# KiCad board FlightComputer.kicad_pcb (continued)
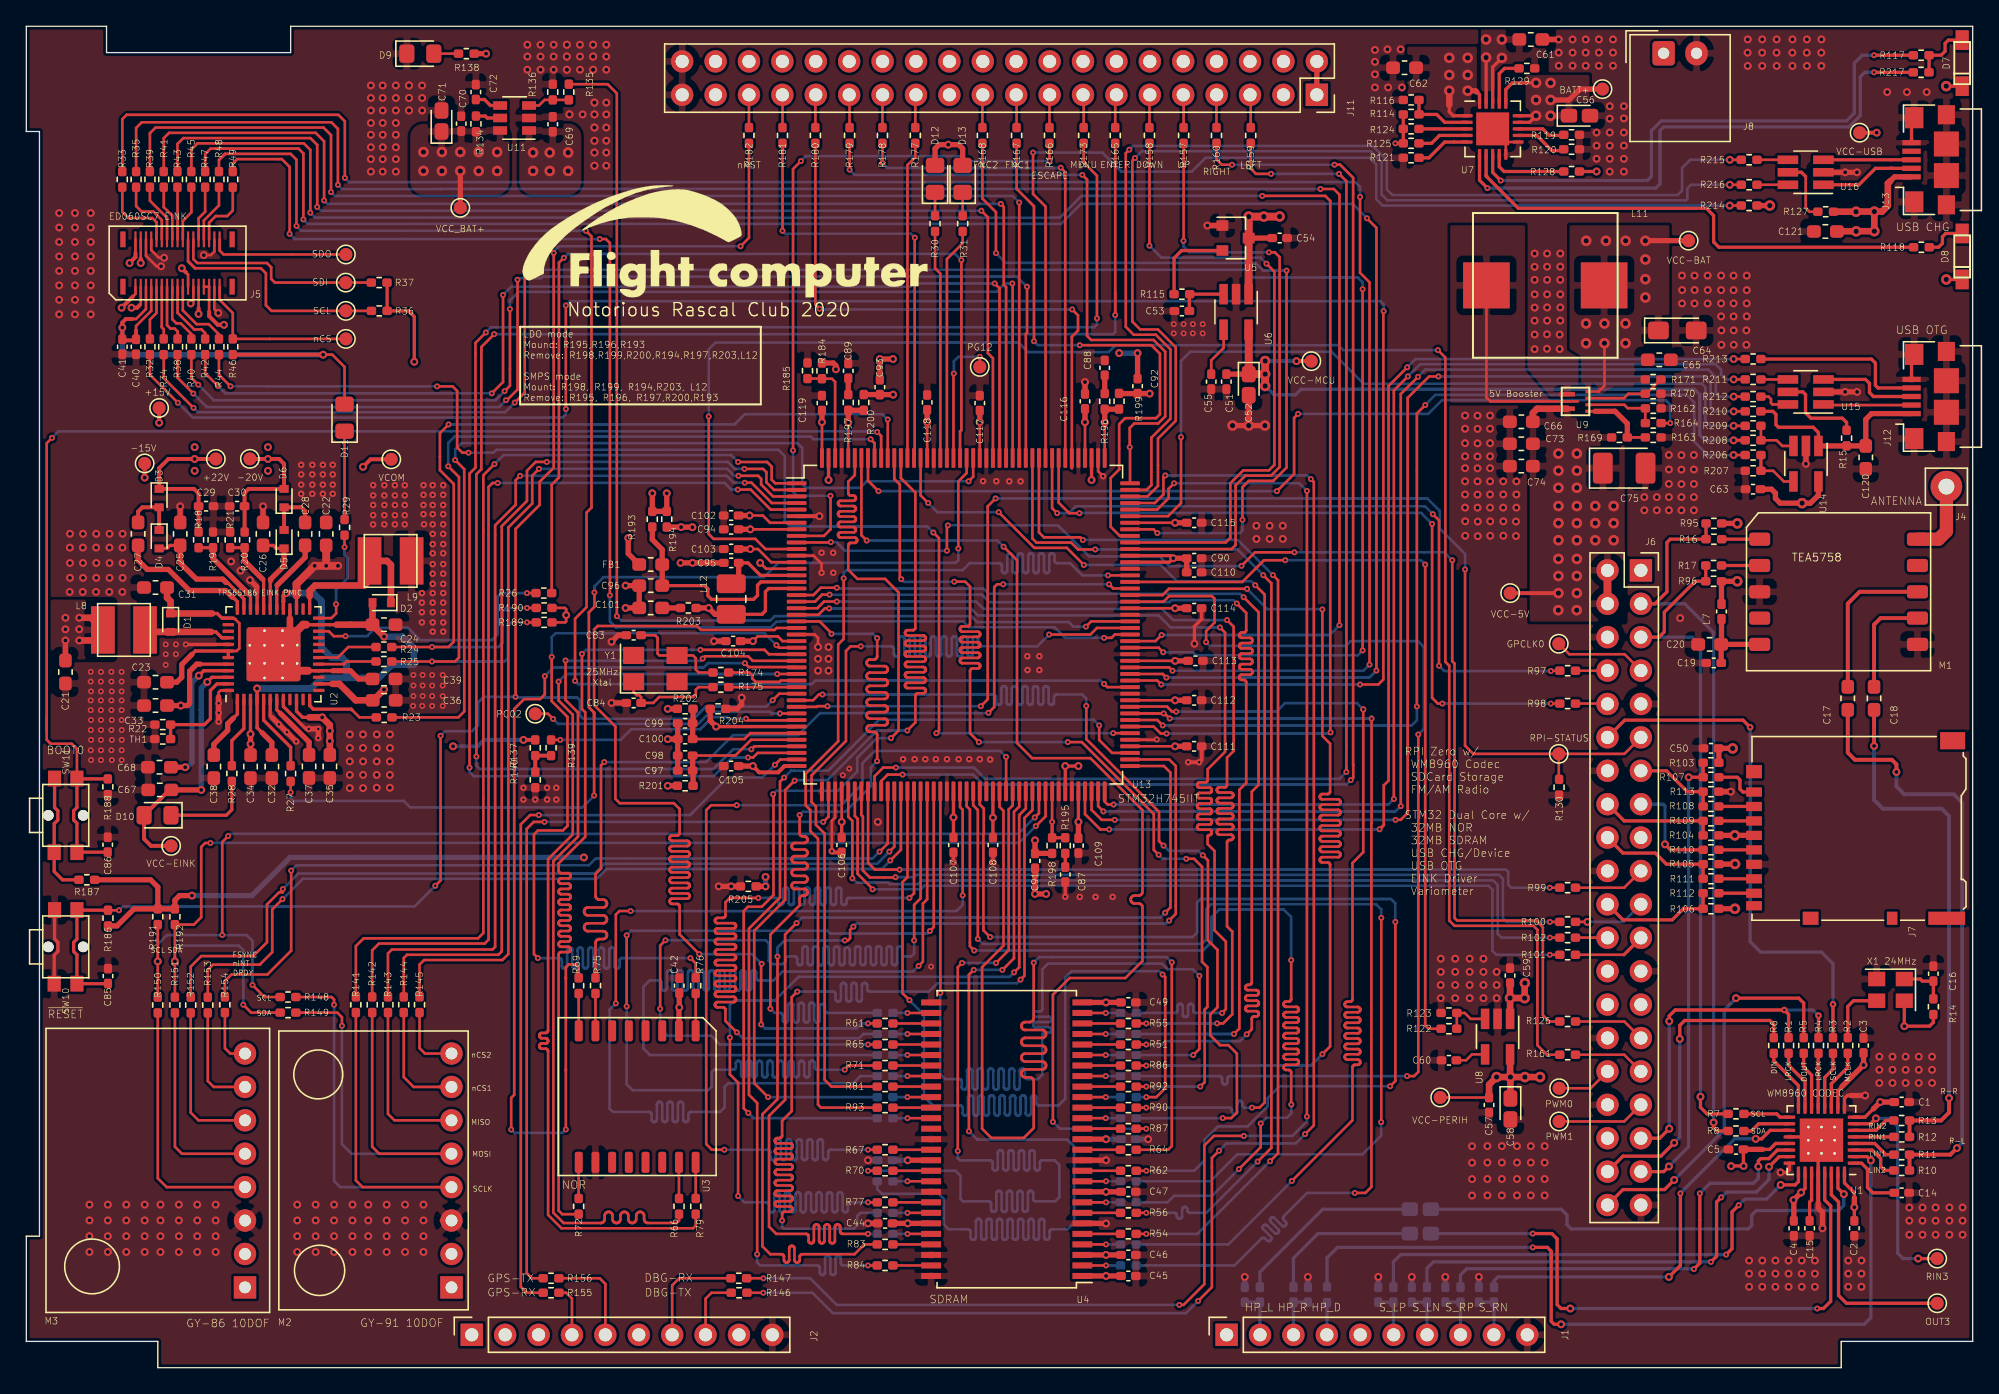
[diagram p0: board, top side]
## Nets (continued)
Net-(C8-Pad2): C8.2 L1.1
Net-(C9-Pad1): C9.1 U1.29
Net-(C9-Pad2): C9.2 L2.1
Net-(C10-Pad1): C10.1 J1.6 L3.2
Net-(C11-Pad1): C11.1 J1.7 L4.2
Net-(C12-Pad1): C12.1 J1.8 L5.2
Net-(C13-Pad1): C13.1 J1.9 L6.2
Net-(C14-Pad1): C14.1 U1.1
Net-(C15-Pad2): C15.2 U1.27
Net-(C16-Pad2): C16.2 R14.1 X1.1
Net-(C17-Pad1): C17.1 M1.8
Net-(C18-Pad1): C18.1 M1.7
Net-(C19-Pad1): C19.1 C20.1 L7.2 M1.5
Net-(C23-Pad1): C23.1 C31.1 D1.1 U2.37 U2.42 U2.43
Net-(C25-Pad1): C25.1 D4.2 U2.35
Net-(C26-Pad2): C26.2 D5.1 U2.31
Net-(C27-Pad1): C27.1 U2.36
Net-(C27-Pad2): C27.2 D3.2 D4.1
Net-(C28-Pad1): C28.1 D5.2 D6.1
Net-(C28-Pad2): C28.2 U2.30
Net-(C37-Pad2): C37.2 U2.7
Net-(C38-Pad2): C38.2 U2.1
Net-(C53-Pad1): C53.1 R115.1 U6.3
Net-(C55-Pad1): C55.1 U6.4
Net-(C60-Pad1): C60.1 U8.4
Net-(C72-Pad1): C72.1 U11.4
Net-(C83-Pad1): C83.1 R174.1 Y1.3
Net-(C84-Pad1): C84.1 R175.1 Y1.1
Net-(C87-Pad1): C87.1 R195.1
Net-(C88-Pad1): C88.1 R196.1
Net-(C89-Pad1): C89.1 R197.1
Net-(C101-Pad1): C101.1 R203.1
Net-(C120-Pad1): C120.1 J12.1 R15.1 R210.2 U14.1
Net-(D1-Pad2): D1.2 L8.2 U2.40
Net-(D2-Pad1): D2.1 L9.1 U2.25
Net-(D7-Pad1): D7.1 R117.1 R217.1
Net-(D8-Pad1): D8.1 R118.1
Net-(D9-Pad2): D9.2 R138.2
Net-(D10-Pad1): D10.1 R28.2
Net-(D11-Pad1): D11.1 R29.2
Net-(D12-Pad1): D12.1 R30.2
Net-(D13-Pad1): D13.1 R31.2
Net-(J1-Pad5): J1.5
Net-(J2-Pad3): J2.3
Net-(J2-Pad4): J2.4 R155.1
Net-(J2-Pad5): J2.5 R156.1
Net-(J2-Pad6): J2.6
Net-(J2-Pad7): J2.7 R147.1
Net-(J2-Pad8): J2.8 R146.1
Net-(J2-Pad9): J2.9
Net-(J4-Pad1): J4.1 M1.10
Net-(J5-Pad9): J5.9 R32.2
Net-(J5-Pad10): J5.10 R33.1
Net-(J5-Pad11): J5.11 R34.2
Net-(J5-Pad12): J5.12 R35.1
Net-(J5-Pad13): J5.13 R38.2
Net-(J5-Pad14): J5.14 R39.1
Net-(J5-Pad15): J5.15 R40.2
Net-(J5-Pad16): J5.16 R41.1
Net-(J5-Pad17): J5.17 R42.2
Net-(J5-Pad18): J5.18 R43.1
Net-(J5-Pad19): J5.19 R44.2
Net-(J5-Pad20): J5.20 R45.1
Net-(J5-Pad22): J5.22 R36.2 TP3.1
Net-(J5-Pad24): J5.24 R37.2 TP4.1
Net-(J5-Pad26): J5.26 R47.1
Net-(J5-Pad28): J5.28 R48.1
Net-(J5-Pad30): J5.30 R49.1
Net-(J5-Pad33): J5.33 R46.2 TP5.1
Net-(J5-Pad34): J5.34 TP6.1
Net-(J6-Pad7): J6.7 TP7.1
Net-(J6-Pad8): J6.8 R97.2
Net-(J6-Pad10): J6.10 R98.2
Net-(J6-Pad17): J6.17
Net-(J6-Pad19): J6.19 R99.1
Net-(J6-Pad21): J6.21 R100.1
Net-(J6-Pad23): J6.23 R101.1
Net-(J6-Pad24): J6.24 R102.2
Net-(J6-Pad26): J6.26
Net-(J6-Pad27): J6.27
Net-(J6-Pad28): J6.28
Net-(J6-Pad29): J6.29 R126.1
Net-(J6-Pad31): J6.31 R161.1
Net-(J6-Pad32): J6.32 TP15.1
Net-(J6-Pad33): J6.33 TP24.1
Net-(J6-Pad36): J6.36
Net-(J7-Pad1): J7.1 R107.1
Net-(J7-Pad2): J7.2 R108.1
Net-(J7-Pad3): J7.3 R109.1
Net-(J7-Pad5): J7.5 R110.1
Net-(J7-Pad7): J7.7 R111.1
Net-(J7-Pad8): J7.8 R112.1
Net-(J7-Pad9): J7.9
Net-(J11-Pad3): J11.3
Net-(J11-Pad4): J11.4
Net-(J11-Pad6): J11.6
Net-(J11-Pad8): J11.8
Net-(J11-Pad10): J11.10
Net-(J11-Pad12): J11.12
Net-(J11-Pad14): J11.14
Net-(J11-Pad16): J11.16
Net-(J11-Pad18): J11.18
Net-(J11-Pad20): J11.20
Net-(J11-Pad22): J11.22
Net-(J11-Pad23): J11.23
Net-(J11-Pad24): J11.24
Net-(J11-Pad25): J11.25 R177.2
Net-(J11-Pad26): J11.26
Net-(J11-Pad27): J11.27 R178.2
Net-(J11-Pad28): J11.28
Net-(J11-Pad29): J11.29 R179.2
Net-(J11-Pad30): J11.30
Net-(J11-Pad31): J11.31 R180.2
Net-(J11-Pad32): J11.32
Net-(J11-Pad33): J11.33 R181.2
Net-(J11-Pad34): J11.34
Net-(J11-Pad35): J11.35 R182.2
Net-(J11-Pad36): J11.36
Net-(J11-Pad37): J11.37
Net-(J11-Pad38): J11.38
Net-(J12-Pad2): J12.2 U15.1
Net-(J12-Pad3): J12.3 U15.3
Net-(J12-Pad4): J12.4 R213.2
Net-(J13-Pad2): J13.2 U16.1
Net-(J13-Pad3): J13.3 U16.3
Net-(J13-Pad4): J13.4
Net-(L3-Pad1): L3.1 U1.25
Net-(L4-Pad1): L4.1 U1.23
Net-(L5-Pad1): L5.1 U1.22
Net-(L6-Pad1): L6.1 U1.19
Net-(M1-Pad1): M1.1 R16.1
Net-(M1-Pad2): M1.2 R17.1
Net-(M1-Pad4): M1.4
Net-(M1-Pad9): M1.9
Net-(M2-Pad2): M2.2
Net-(M2-Pad4): M2.4 R141.1 R148.2
Net-(M2-Pad5): M2.5 R142.1 R149.2
Net-(M2-Pad6): M2.6 R143.1
Net-(M2-Pad7): M2.7 R144.1
Net-(M2-Pad8): M2.8 R145.1
Net-(M3-Pad2): M3.2
Net-(M3-Pad4): M3.4 R150.1
Net-(M3-Pad5): M3.5 R151.1
Net-(M3-Pad6): M3.6 R152.1
Net-(M3-Pad7): M3.7 R153.1
Net-(M3-Pad8): M3.8 R154.1
Net-(R1-Pad1): R1.1 U1.15
Net-(R2-Pad1): R2.1 U1.11
Net-(R3-Pad1): R3.1 U1.12
Net-(R4-Pad1): R4.1 U1.13
Net-(R5-Pad1): R5.1 U1.14
Net-(R6-Pad1): R6.1 U1.16
Net-(R7-Pad1): R7.1 U1.17
Net-(R8-Pad1): R8.1 U1.18
Net-(R9-Pad1): R9.1 U1.2
Net-(R10-Pad1): R10.1 U1.3
Net-(R11-Pad1): R11.1 U1.4
Net-(R12-Pad1): R12.1 U1.5
Net-(R13-Pad1): R13.1 U1.6
Net-(R15-Pad2): R15.2 U15.5
Net-(R18-Pad2): R18.2 R19.2 U2.34
Net-(R20-Pad1): R20.1 R21.1 U2.32
Net-(R22-Pad2): R22.2 TH1.1 U2.47
Net-(R23-Pad2): R23.2 U2.12
Net-(R24-Pad2): R24.2 U2.18
Net-(R25-Pad2): R25.2 U2.17
Net-(R26-Pad2): R26.2 U2.22
Net-(R27-Pad2): R27.2 U2.5
Net-(R28-Pad1): R28.1 U2.2
Net-(R29-Pad1): R29.1 U2.24
Net-(R50-Pad2): R50.2 U4.2
Net-(R51-Pad1): R51.1 U4.23
Net-(R52-Pad2): R52.2 U4.4
Net-(R53-Pad1): R53.1 U4.24
Net-(R54-Pad2): R54.2 U4.5
Net-(R55-Pad1): R55.1 U4.25
Net-(R56-Pad2): R56.2 U4.7
Net-(R57-Pad1): R57.1 U4.26
Net-(R58-Pad2): R58.2 U4.8
Net-(R59-Pad1): R59.1 U4.29
Net-(R60-Pad2): R60.2 U4.10
Net-(R61-Pad1): R61.1 U4.30
Net-(R62-Pad2): R62.2 U4.11
Net-(R63-Pad1): R63.1 U4.31
Net-(R64-Pad2): R64.2 U4.13
Net-(R65-Pad1): R65.1 U4.32
Net-(R66-Pad1): R66.1 U3.15
Net-(R67-Pad2): R67.2 U4.42
Net-(R68-Pad1): R68.1 U4.33
Net-(R69-Pad1): R69.1 U3.8
Net-(R70-Pad2): R70.2 U4.44
Net-(R71-Pad1): R71.1 U4.34
Net-(R72-Pad1): R72.1 U3.9
Net-(R73-Pad2): R73.2 U4.45
Net-(R74-Pad1): R74.1 U4.22
Net-(R75-Pad2): R75.2 U3.7
Net-(R76-Pad1): R76.1 U3.1
Net-(R77-Pad2): R77.2 U4.47
Net-(R78-Pad1): R78.1 U4.35
Net-(R79-Pad2): R79.2 U3.16
Net-(R80-Pad2): R80.2 U4.48
Net-(R81-Pad1): R81.1 U4.36
Net-(R82-Pad2): R82.2 U4.50
Net-(R83-Pad2): R83.2 U4.51
Net-(R84-Pad2): R84.2 U4.53
Net-(R85-Pad1): R85.1 U4.20
Net-(R86-Pad1): R86.1 U4.21
Net-(R87-Pad1): R87.1 U4.15
Net-(R88-Pad1): R88.1 U4.39
Net-(R89-Pad1): R89.1 U4.16
Net-(R90-Pad1): R90.1 U4.17
Net-(R91-Pad1): R91.1 U4.18
Net-(R92-Pad1): R92.1 U4.19
Net-(R93-Pad1): R93.1 U4.38
Net-(R94-Pad1): R94.1 U4.37
Net-(R114-Pad2): R114.2 R116.1 U7.2
Net-(R115-Pad2): R115.2 U5.2
Net-(R117-Pad2): R117.2 U7.8
Net-(R118-Pad2): R118.2 U7.7
Net-(R119-Pad2): R119.2 U7.13
Net-(R120-Pad2): R120.2 U7.12
Net-(R121-Pad2): R121.2 U7.5
Net-(R122-Pad1): R122.1 R123.2 U8.3
Net-(R124-Pad1): R124.1 U7.3
Net-(R125-Pad1): R125.1 U7.4
Net-(R127-Pad2): R127.2 U16.5
Net-(R128-Pad1): R128.1 U7.9
Net-(R129-Pad1): R129.1 U7.17
Net-(R134-Pad1): R134.1 U11.5
Net-(R135-Pad2): R135.2 R136.2 U11.3
Net-(R137-Pad2): R137.2 R139.2 R140.2
Net-(R162-Pad1): R162.1 R164.2 U9.5
Net-(R163-Pad2): R163.2 R169.2 U9.4
Net-(R170-Pad2): R170.2 R171.1 U9.6
Net-(R174-Pad2): R174.2 U13.31
Net-(R175-Pad2): R175.2 U13.32
Net-(R184-Pad2): R184.2 R185.2 U13.174
Net-(R187-Pad1): R187.1 SW11.2
Net-(R206-Pad2): R206.2 R207.1 U14.4
Net-(R208-Pad1): R208.1 R209.2 U14.3
Net-(R211-Pad2): R211.2 U15.4
Net-(R212-Pad2): R212.2 U15.6
Net-(R215-Pad2): R215.2 U16.4
Net-(R216-Pad2): R216.2 U16.6
Net-(R217-Pad2): R217.2 U7.6
Net-(TP1-Pad1): TP1.1 U1.30
Net-(TP2-Pad1): TP2.1 U1.7
Net-(TP13-Pad1): TP13.1 U13.36
Net-(TP25-Pad1): TP25.1 U13.156
Net-(U3-Pad3): U3.3
Net-(Y1-Pad2): Y1.2
Net-(Y1-Pad4): Y1.4

Pads without a net: J5 35 36 37 38; J7 10 11; SW10 6 7; SW11 6 7; U2 9 11 13 15 19 20 21 26 38 39; U3 4 5 6 11 12 13 14; U4 40

## Via types
v1: diameter 0.45, hole 0.2, Top to Bottom, 500 vias
v2: diameter 0.6, hole 0.3, Top to Bottom, 693 vias
v3: diameter 0.5, hole 0.2, Top to Bottom, 128 vias
v4: diameter 0.8, hole 0.4, Top to Bottom, 101 vias

## Routing (per net, layer and track width the routed paths; a pad name or vN(x,y) marks a point on that pad's centre or on a via; arc(x,y) is an arc through that point)
+15V: length 12.6
  Top w0.2: J5.2 8.3,84.78 ; 8.7,84.2 J5.4
  Top w0.25: U2.44 13.17,53.5
  Top w0.3: v2(8.7,84) 8.7,84.31 8.7,84.2 ; 8.3,84.78 8.3,84.45 v2(7.85,84) ; v2(10.1,71.85) TP10.1
  Top w0.4: 13.23,53.5 12.96,53.5 12.42,52.96 12.42,50.52 12.25,50.35 v2(11.75,50.35) C33.1
+22V: length 14.4
  Top w0.2: J5.25 13.1,80.58
  Top w0.3: TP8.1 v2(12.8,69.1) 10.8,69.1 10.1,68.4 D3.1 12.75,66.83 13.1,66.47 C29.2 13.1,65.51 R18.1 ; v2(13.1,80.12) 13.1,80.58 ; 13.06,63.47 13.1,63.44
  vias: v2(12.8,70) v2(12.8,68.2)
-15V: length 9.5
  Top w0.2: 8.11,81.46 8.3,81.65 J5.1 ; 8.62,80.8 8.7,80.88 J5.3
  Top w0.25: U2.3 17.05,48.18 v2(17.05,48.18)
  Top w0.3: v2(8,80.6) 8.42,80.6 8.62,80.8 ; v2(7.25,80.6) 8.11,81.46 ; v2(9,67.68) TP11.1
  Top w0.4: v2(17.05,48.18) v2(17.05,47.43) C34.2
-20V: length 15.1
  Top w0.2: 18.39,69.11 v2(18.38,69.1) ; J5.27 J5.29 13.9,80.28
  Top w0.3: 19.6,67.99 19.6,68.72 19.23,69.1 v2(18.38,69.1) 17.01,69.1 TP9.1 ; 19.6,67.99 19.6,68.26 ; 19.6,67.99 D6.2 16.9,66.83 16.6,66.52 C30.1 16.6,65.51 R20.2 ; v2(15.03,79.3) 14.56,79.3 13.9,79.96 13.9,80.28 ; 16.59,63.45 16.6,63.44
  vias: v2(18.38,70) v2(18.38,68.2)
/MCU/MCU_POWER/VDDA: length 10.7
  Top w0.2: U13.40 55.12,47.75 53.92,46.55 C98.1
  Top w0.4: R201.1 50.7,45.37 C97.1 C98.1
/MCU/MCU_POWER/VDDLDO: length 10.1
  Top w0.25: v2(80,45.75) v2(79,45.75) U13.82 ; U13.175 v2(61,67.5) ; U13.135 v2(81,67.5)
  Top w0.4: v2(48.7,66.49) R194.2 R193.2 v2(47.6,66.49)
/MCU/MCU_POWER/VDDSMPS: length 16.7
  Top w0.25: C96.1 51.57,59.47 51.58,59.48 51.83,59.23 51.83,58.7 52.1,58.42 55.3,58.42 55.6,58.73 55.6,59.5 55.85,59.75 U13.16
  Top w0.4: C96.1 FB1.2 48.35,62.22 47.6,62.97 R193.1
/MCU/MCU_POWER/VSSA: length 12
  Top w0.25: U13.38 v2(52.45,48.75)
  Top w0.4: R204.1 52,49.2 v2(52.45,48.75) ; C99.2 C100.2 ; C100.2 v2(48.77,47.8) ; C100.2 C98.2 C97.2
GND: length 114.8
  Top w0.2: 31.83,11.19 31.54,11.19 M2.3 ; U13.134 81.5,68.17 v3(81.88,67.79) ; v2(10.47,84.4) 10.08,84.4 9.5,84.98 J5.8 ; U2.48 14.77,51.5 14.62,51.35 14.62,51.02 ; v2(13.5,84.6) 14.03,84.6 14.3,84.88 J5.32 ; v2(14.6,80.2) 14.3,80.5 J5.31 ; 112.5,93.2 U7.21 ; 112.5,93.2 U7.10 ; 112.5,93.2 U7.11 ; v3(60.47,60.45) 60.47,61.14 59.86,61.75 U13.12 ; U13.47 61.5,41.83 61.25,41.58 v3(61.25,39.27) ; v2(10.25,83.75) 9.9,83.75 9.1,84.55 J5.6 ; v1(85.96,47.77) 85.94,47.75 U13.93 ; U13.24 59.95,55.75 60.2,55.5 v2(60.2,54.8)
  Top w0.25: U15.2 138,74.2 ; 138.72,20.7 138.47,20.7 138.25,20.48 U1.9 ; U1.24 134.06,15.06 133.85,14.85 v2(133.39,14.85) ; J13.6 143.35,94.85 J13.5 ; C87.2 v3(79,35.81) ; U2.6 18.55,49.58 18.69,49.44 ; C114.2 89.37,56.92 88.82,56.37 v2(88.82,55.05) ; J12.6 143.35,76.85 J12.5 ; U1.28 136.25,17.05 U1.33 136.25,17.55 U1.20 ; SW10.2 2.12,31.37 2.4,31.65 2.4,32.35 2.15,32.6 SW10.2 ; 136.25,12.55 136.25,12.15 ; U2.33 17.55,59.35 ; v1(12.12,55) 12.13,55 U2.41 ; C108.2 v3(73.5,38.44) ; U2.8 19.55,50.28 21.25,48.58 v3(21.48,48.58) ; C107.2 v3(70.5,38.44)
  Top w0.3: U13.6 v2(60.31,64.75) ; C106.2 61.34,39.18 v3(61.25,39.27) 61.26,39.27 ; C111.2 89.37,46.23 v3(89.18,46.04) v3(88.35,46.04) ; 136.25,12.55 U1.28
  Top w0.4: U14.2 v2(135.32,68.73) ; v4(92.95,71.64) v4(94.18,71.64) ; v4(92.95,71.64) C52.2 ; v4(92.95,71.64) v4(91.72,71.64) ; U4.12 v2(82.1,15.78) ; v3(20.52,47.62) v3(19.82,48.32) 19.81,48.32 v3(19.21,48.92) 18.69,49.44 ; 136.25,12.51 136.25,12.15 136.57,11.82 v2(136.57,10.6) ; C44.1 v2(64,10.97) ; C61.2 v2(116.53,101) ; U5.1 v2(89.8,86.85) ; v2(44.5,55.2) 45,55.7 C83.2 ; v3(21.48,48.58) v3(22.2,48.58) v3(22.2,47.88) ; C84.2 v2(44.5,50.55) ; v2(17.01,59.89) 17.52,59.38 17.52,58.97 ; v2(52.65,36.6) v2(53.6,36.6) R205.2 ; v2(139.82,20.7) 138.72,20.7 ; C104.2 v2(52.29,55.25) ; C25.2 v2(11.7,65.5) ; C116.2 v2(80.5,74.95) ; v2(139.21,74.2) v2(138.3,74.2) U15.2 ; U4.6 82.09,10.97 v2(82.1,10.97) ; v2(54.4,50.95) 54.4,50.45 54.05,50.1 R204.2 ; U16.2 v2(138.3,90.9) v2(139.2,90.9) ; 14.62,51.02 v3(14.62,50.52) v3(14.62,49.8) v3(14.62,49.12) ; R113.2 v2(129.6,43.8) ; C26.1 v2(18,65.5)
  Top w0.5: 94.13,71.75 94.18,71.7 ; 91.77,71.75 91.72,71.7
  Bottom w0.2: v4(94.18,71.64) 94.18,71.84
  Bottom w0.4: C11.2 v2(105.35,6.9) ; C43.1 v2(64,15.78) ; C6.2 v2(92.65,6.9) ; C13.2 v2(110.45,6.9) ; C12.2 v2(107.9,6.9) ; C48.1 v2(85.3,17.38) ; C10.2 v2(102.8,6.9) ; C7.2 v2(97.45,6.9)
  vias: v1(4.89,52.91) v1(4.89,52.17) v1(4.92,51.42) v1(4.89,50.74) v1(4.89,50) v1(4.92,49.25) v1(4.9,48.49) v1(4.92,47.74) v1(4.9,46.95) v1(4.92,46.2) v1(5.67,52.91) v1(5.67,52.17) v1(5.67,51.42) v1(5.67,50.74) v1(5.67,50) v1(5.67,49.25) v1(5.67,48.49) v1(5.67,47.74) v1(5.67,46.95) v1(5.67,46.2) v1(6.47,52.91) v1(6.47,52.17) v1(6.5,51.42) v1(6.47,50.74) v1(6.47,50) v1(6.5,49.25) v1(6.47,48.49) v1(6.5,47.74) v1(6.47,46.95) v1(6.5,46.2) v1(7.25,52.91) v1(7.25,52.17) v1(7.25,51.42) v1(7.25,50.74) v1(7.25,50) v1(7.25,49.25) v1(7.25,48.49) v1(7.25,47.74) v1(7.25,46.95) v1(7.25,46.2) v1(10.6,55) v1(10.6,54.25) v1(10.6,53.45) v1(11.38,55) v1(11.38,54.25) v1(29.43,52.67) v1(29.43,51.88) v1(29.43,51.08) v1(29.41,50.33) v1(30.14,52.67) v1(30.14,51.88) v1(30.14,51.08) v1(30.11,50.33) v1(30.86,52.67) v1(30.86,51.87) v1(30.86,51.07) v1(30.86,50.32) v1(31.66,52.67) v1(31.66,51.87) v1(31.66,51.07) v1(31.66,50.32) v1(62.08,45.05) v1(62.58,45.55) v1(68.8,30.5) v1(87.25,79.35) v1(87.25,78.65) v1(88,79.35) v1(88,78.65) v1(88.7,79.35) v1(88.7,78.65) v1(89.45,79.35) v1(89.45,78.65) v2(2.5,87.8) v2(2.5,86.7) v2(2.5,85.6) v2(2.5,84.5) v2(2.5,83.4) v2(2.5,82.3) v2(2.5,81.2) v2(2.5,80.1) v2(3.32,63.41) v2(3.31,62.36) v2(3.32,61.19) v2(3.32,60.06) v2(3.3,58.99) v2(3.7,87.8) v2(3.7,86.7) v2(3.7,85.6) v2(3.7,84.5) v2(3.7,83.4) v2(3.7,82.3) v2(3.7,81.2) v2(3.7,80.1) v2(4.31,63.41) v2(4.3,62.36) v2(4.31,61.19) v2(4.31,60.06) v2(4.29,58.99) v2(4.8,12.4) v2(4.8,11.2) v2(4.8,10) v2(4.8,8.8) v2(4.9,87.8) v2(4.9,86.7) v2(4.9,85.6) v2(4.9,84.5) v2(4.9,83.4) v2(4.9,82.3) v2(4.9,81.2) v2(4.9,80.1) v2(5.32,63.41) v2(5.31,62.36) v2(5.32,61.19) v2(5.32,60.06) v2(5.3,58.99) v2(6.2,12.4) v2(6.2,11.2) v2(6.2,10) v2(6.2,8.8) v2(6.33,63.41) v2(6.32,62.36) v2(6.33,61.19) v2(6.33,60.06) v2(6.31,58.99) v2(7.32,63.41) v2(7.31,62.36) v2(7.32,61.19) v2(7.32,60.06) v2(7.3,58.99) v2(7.6,12.4) v2(7.6,11.2) v2(7.6,10) v2(7.6,8.8) v2(9,12.4) v2(9,11.2) v2(9,10) v2(9,8.8) v2(10.2,12.4) v2(10.2,11.2) v2(10.2,10) v2(10.2,8.8) v2(11.6,12.4) v2(11.6,11.2) v2(11.6,10) v2(11.6,8.8) v2(13,12.4) v2(13,11.2) v2(13,10) v2(13,8.8) v2(14.4,12.4) v2(14.4,11.2) v2(14.4,10) v2(14.4,8.8) v2(15.57,61.31) v2(16.29,60.61) v2(20.6,12.4) v2(20.6,11.2) v2(20.6,10) v2(20.6,8.8) v2(22,12.4) v2(22,11.2) v2(22,10) v2(22,8.8) v2(23.4,12.4) v2(23.4,11.2) v2(23.4,10) v2(23.4,8.8) v2(24.6,48.16) v2(24.6,47.12) v2(24.59,46.1) v2(24.59,45.08) v2(24.59,44.08) v2(24.8,12.4) v2(24.8,11.2) v2(24.8,10) v2(24.8,8.8) v2(25.6,48.16) v2(25.6,47.12) v2(25.61,46.1) v2(25.61,45.08) v2(25.61,44.08) v2(26,12.4) v2(26,11.2) v2(26,10) v2(26,8.8) v2(26.2,97.5) v2(26.2,96.55) v2(26.2,95.6) v2(26.2,94.65) v2(26.2,93.75) v2(26.2,92.8) v2(26.2,91.9) v2(26.2,90.95) v2(26.65,48.16) v2(26.65,47.12) v2(26.64,46.1) v2(26.64,45.08) v2(26.64,44.1) v2(27.1,97.5) v2(27.1,96.55) v2(27.1,95.6) v2(27.1,94.65) v2(27.1,93.75) v2(27.1,92.8) v2(27.1,91.9) v2(27.1,90.95) v2(27.4,12.4) v2(27.4,11.2) v2(27.4,10) v2(27.4,8.8) v2(27.65,48.16) v2(27.65,47.12) v2(27.64,46.1) v2(27.64,45.08) v2(27.64,44.1) v2(28.1,97.5) v2(28.1,96.55) v2(28.1,95.6) v2(28.1,94.65) v2(28.1,93.75) v2(28.1,92.8) v2(28.1,91.9) v2(28.1,90.95) v2(28.8,12.4) v2(28.8,11.2) v2(28.8,10) v2(28.8,8.8) v2(29.1,97.5) v2(29.1,97.5) v2(29.1,96.55) v2(29.1,96.55) v2(29.1,95.6) v2(29.1,95.6) v2(30.1,97.5) v2(30.1,96.55) v2(30.1,95.6) v2(30.2,12.4) v2(30.2,11.2) v2(30.2,10) v2(30.2,8.8) v2(38.1,100.6) v2(38.1,99.7) v2(38.1,98.7) v2(39.1,100.6) v2(39.1,99.7) v2(39.1,98.7) v2(40.1,100.6) v2(40.1,99.7) v2(40.1,98.7) v2(41.1,100.6) v2(41.1,100.6) v2(41.1,99.7) v2(41.1,99.7) v2(41.1,98.7) v2(41.1,98.7) v2(41.3,95.3) v2(41.3,95.3) v2(42.1,100.6) v2(42.1,99.7) v2(42.1,98.7) v2(42.3,95.3) v2(43.1,100.6) v2(43.1,100.6) v2(43.1,99.7) v2(43.1,99.7) v2(43.1,98.7) v2(43.1,98.7) v2(43.2,96.2) v2(43.2,96.2) v2(43.2,95.3) v2(43.2,95.3) v2(43.2,94.3) v2(43.2,94.3) v2(43.2,93.3) v2(43.2,93.3) v2(43.2,92.4) v2(43.2,92.4) v2(43.2,91.4) v2(43.2,91.4) v2(44.1,100.6) v2(44.1,99.7) v2(44.1,98.7) v2(44.1,96.2) v2(44.1,95.3) v2(44.1,94.3) v2(44.1,93.3) v2(44.1,92.4) v2(44.1,91.4) v2(60.2,53.9) v2(60.2,53) v2(61,54.8) v2(61,53.9) v2(61,53) v2(64.75,41.5) v2(93.53,64.02) v2(93.54,63.02) v2(94.54,64.02) v2(94.54,63.02) v2(95.54,64.02) v2(95.54,63.02) v2(102.55,100.2) v2(102.55,99.3) v2(102.55,98.35) v2(102.55,97.35) v2(103.5,100.25) v2(103.55,97.35) v2(104.5,100.25) v2(104.6,97.35) v2(107.55,31.1) v2(107.55,30.1) v2(107.55,29.1) v2(107.55,28.1) v2(108.65,31.1) v2(108.65,30.1) v2(108.65,29.1) v2(108.65,28.1) v2(109.4,72.4) v2(109.4,71.4) v2(109.4,70.3) v2(109.4,69.3) v2(109.4,68.4) v2(109.4,67.4) v2(109.4,66.4) v2(109.4,65.4) v2(109.41,64.36) v2(109.41,63.26) v2(109.75,31.1) v2(109.75,30.1) v2(109.75,29.1) v2(109.75,28.1) v2(109.93,16.84) v2(109.93,15.59) v2(109.93,14.34) v2(109.93,13.09) v2(110.35,72.39) v2(110.35,71.39) v2(110.35,70.29) v2(110.35,69.29) v2(110.35,68.39) v2(110.35,67.4) v2(110.35,66.39) v2(110.35,65.4) v2(110.37,64.34) v2(110.37,63.23) v2(110.8,31.1) v2(110.8,30.1) v2(110.8,29.1) v2(110.8,28.1) v2(111.1,16.85) v2(111.1,15.6) v2(111.1,14.35) v2(111.1,13.1) v2(111.3,72.4) v2(111.3,71.4) v2(111.3,70.3) v2(111.3,69.3) v2(111.3,68.4) v2(111.3,67.4) v2(111.3,66.4) v2(111.3,65.4) v2(111.31,64.36) v2(111.31,63.26) v2(111.8,30.1) v2(111.8,29.1) v2(111.8,28.1) v2(112.2,16.85) v2(112.2,15.6) v2(112.2,14.35) v2(112.2,13.1) v2(112.3,67.4) v2(112.3,66.4) v2(112.3,65.4) v2(112.31,64.36) v2(112.31,63.26) v2(113.3,67.4) v2(113.3,66.4) v2(113.3,65.4) v2(113.27,64.34) v2(113.27,63.24) v2(113.35,16.85) v2(113.35,15.6) v2(113.35,14.35) v2(113.35,13.1) v2(114.4,16.85) v2(114.4,15.6) v2(114.4,14.35) v2(114.4,13.1) v2(114.69,84.72) v2(114.69,83.71) v2(114.69,82.72) v2(114.69,81.62) v2(114.69,80.61) v2(114.69,79.62) v2(114.69,78.56) v2(114.69,77.45) v2(115.45,16.85) v2(115.45,15.6) v2(115.45,14.35) v2(115.45,13.1) v2(115.64,84.72) v2(115.64,83.72) v2(115.64,82.72) v2(115.64,81.62) v2(115.64,80.62) v2(115.64,79.62) v2(115.63,78.58) v2(115.63,77.48) v2(116.53,100) v2(116.53,99) v2(116.64,84.72) v2(116.64,83.72) v2(116.64,82.72) v2(116.64,81.62) v2(116.64,80.62) v2(116.64,79.62) v2(116.59,78.56) v2(116.59,77.46) v2(117.58,101) v2(117.58,100) v2(117.58,99) v2(118.58,101) v2(118.58,100) v2(118.58,99) v2(119.4,93.92) v2(119.4,92.92) v2(119.4,91.92) v2(119.58,101) v2(119.58,100) v2(119.58,99) v2(120.4,95.92) v2(120.4,94.97) v2(120.4,93.92) v2(120.4,92.92) v2(120.4,91.92) v2(120.4,90.95) v2(120.65,101) v2(120.65,100) v2(120.65,99) v2(121.47,95.92) v2(121.47,95) v2(121.47,93.92) v2(121.47,92.92) v2(121.47,91.92) v2(121.47,90.95) v2(123.03,66.2) v2(123.03,65.2) v2(123.98,66.2) v2(123.98,65.2) v2(124.9,69.4) v2(124.9,68.3) v2(124.9,67.2) v2(124.9,66.2) v2(124.9,65.2) v2(125.85,69.39) v2(125.85,68.29) v2(125.85,67.19) v2(125.85,66.2) v2(125.85,65.2) v2(125.75,57) v2(125.89,83.05) v2(125.91,81.94) v2(125.89,80.92) v2(126.84,83.05) v2(126.84,80.92) v2(126.8,69.4) v2(126.8,68.3) v2(126.8,67.2) v2(126.8,66.2) v2(126.8,65.2) v2(126.86,81.94) v2(127.84,83.05) v2(127.84,80.92) v2(127.86,81.94) v2(128.87,83.04) v2(128.87,81.94) v2(128.87,80.93) v2(128.87,79.94) v2(128.89,78.88) v2(128.89,77.78) v2(129.82,83.04) v2(129.82,81.94) v2(129.82,80.93) v2(129.82,79.94) v2(129.83,78.88) v2(129.83,77.78) v2(130.82,83.04) v2(130.82,81.94) v2(130.82,80.93) v2(130.82,79.94) v2(130.79,78.88) v2(130.79,77.78) v2(130.9,101) v2(130.88,100) v2(130.9,98.98) v2(131,8.15) v2(131,7.15) v2(131,6.15) v2(132,101) v2(131.99,100) v2(132,98.98) v2(132,8.15) v2(132,7.15) v2(132,6.15) v2(133,8.15) v2(133,7.15) v2(133,6.15) v2(133.09,101) v2(133.09,100) v2(133.09,98.98) v2(134,8.15) v2(134,7.15) v2(134,6.15) v2(134.29,101) v2(134.28,100) v2(134.29,98.98) v2(135,8.15) v2(135,7.15) v2(135,6.15) v2(135.4,101) v2(135.38,100) v2(135.4,98.98) v2(136,8.15) v2(136,7.15) v2(136,6.15) v2(136.5,101) v2(136.49,100) v2(136.5,98.98) v2(138.54,8.15) v2(138.54,7.15) v2(138.54,6.15) v2(139.54,8.15) v2(139.54,7.15) v2(139.54,6.15) v2(140.9,23.65) v2(140.9,22.65) v2(140.9,21.65) v2(141.5,97) v2(141.9,23.65) v2(141.9,22.65) v2(141.9,21.65) v2(142.9,23.65) v2(142.9,22.65) v2(142.9,21.65) v2(143,97) v2(143.18,12.18) v2(143.18,11.18) v2(143.18,10.11) v2(143.9,23.65) v2(143.9,22.65) v2(143.9,21.65) v2(144.18,12.18) v2(144.18,11.18) v2(144.18,10.11) v2(144.5,97) v2(144.91,23.65) v2(144.91,22.65) v2(144.91,21.65) v2(145.18,12.18) v2(145.18,11.18) v2(145.18,10.11) v2(146.23,12.18) v2(146.23,11.18) v2(146.23,10.11) v2(147.23,12.18) v2(147.23,11.18) v2(147.23,10.11) v3(20.9,68.66) v3(20.9,67.92) v3(20.9,67.15) v3(20.9,66.45) v3(21.75,68.66) v3(21.75,67.92) v3(21.75,67.15) v3(21.75,66.45) v3(22.55,68.66) v3(22.55,67.92) v3(22.55,67.15) v3(22.55,66.45) v3(23.3,68.66) v3(23.3,67.92) v3(23.3,67.15) v3(23.3,66.45) v3(26.38,67.1) v3(26.38,66.33) v3(26.38,65.6) v3(26.38,64.83) v3(26.37,64.12) v3(27.23,67.1) v3(27.23,66.33) v3(27.23,65.6) v3(27.23,64.83) v3(27.23,64.12) v3(28.02,67.1) v3(28.02,66.33) v3(28.02,65.6) v3(28.02,64.83) v3(28.02,64.12) v3(28.77,67.1) v3(28.77,66.33) v3(28.77,65.6) v3(28.77,64.83) v3(28.77,64.12) v3(30.08,58.9) v3(30.08,58.17) v3(30.08,57.45) v3(30.08,56.67) v3(30.2,67.1) v3(30.2,66.38) v3(30.2,65.6) v3(30.2,64.9) v3(30.24,64.13) v3(30.9,67.1) v3(30.9,66.38) v3(30.9,65.6) v3(30.9,64.9) v3(30.9,64.13) v3(30.9,63.4) v3(30.9,62.62) v3(30.9,61.92) v3(30.9,61.1) v3(30.9,60.38) v3(30.9,59.6) v3(30.9,58.9) v3(30.9,58.17) v3(30.9,57.45) v3(30.9,56.67) v3(30.9,55.97) v3(31.7,67.1) v3(31.7,66.38) v3(31.7,65.6) v3(31.7,64.9) v3(31.7,64.13) v3(31.7,63.4) v3(31.7,62.62) v3(31.7,61.92) v3(31.7,61.1) v3(31.7,60.38) v3(31.7,59.6) v3(31.7,58.9) v3(31.7,58.17) v3(31.7,57.45) v3(31.7,56.67) v3(31.7,55.97) v3(37.8,44.1) v3(37.8,43.2) v3(38.7,43.2) v3(39.6,44.1) v3(39.6,43.2) v3(40.3,44.1) v3(40.3,43.2) v3(60.47,61.97) v3(61.35,61.97) v3(61.36,60.45) v3(66.67,46.27) v3(67.55,46.27) v3(68.36,46.27) v3(69.16,46.27) v3(70.01,46.27) v3(70.89,46.27) v3(71.7,46.27) v3(72.5,46.27) v3(72.75,67.41) v3(73.29,46.25) v3(73.76,67.41) v3(74.74,67.4) v3(75.6,67.4) v3(76.12,54.1) v3(76.13,53.05) v3(77.03,54.1) v3(77.03,53.05) v3(80.1,35.8) v3(81.3,35.8) v3(82.6,35.8)
GNDS: length 20.1
  Top w0.2: U13.14 56.25,60.75 v2(55.8,61.2)
  Top w0.4: C91.1 v2(76.7,36.03) v2(77.54,36.03) ; C92.1 v2(84.5,77.15) ; v2(45.57,59.47) C96.2 C101.2 45.58,57.77 v2(45.57,57.77) ; v2(56.21,36.6) R205.1 ; v2(49.75,61.2) v2(50.66,61.2) C95.2 ; v2(65.9,76.7) v2(64.9,76.7) C93.1
  Bottom w0.4: v2(83.1,77.15) v2(84.5,77.15) ; v2(56.21,36.6) 56.21,37.31
  vias: v2(56.21,37.32)
VCC_3V3: length 29.8
  Top w0.25: 139,12.92 139,13.3 138.25,14.05 U1.32 ; X1.4 v2(142.8,25.97) 144.72,25.97 145.01,26.26 R14.2 ; U1.10 137.75,21.07 138.05,21.37 ; v2(139,12.2) C2.1 ; 139.8,19.05 U1.8 139.81,19.05 140.45,19.7
  Top w0.4: v4(129.93,38.3) 129.92,38.29 R105.1 ; C1.1 v2(140.97,20.2) 140.47,19.7 140.45,19.7 ; R104.1 v4(129.91,40.48) 131.37,40.48 J7.4 ; L7.1 128.9,58.08 R96.1 v4(130.1,59.8) ; R103.1 128.7,47.07 C50.2 129.74,47.1 v4(129.75,47.09) ; 128.88,58 128.9,57.98 ; R106.1 v4(129.92,34.9) ; C3.1 v2(139.7,23.02) 138.05,21.37 ; R95.1 v4(130.1,64.2) ; v2(139,12.2) 139,12.92
  Top w0.6: 131.35,40.5 J7.4
VCC_5V: length 25.8
  Top w0.25: v2(129.63,15.33) 129.64,15.34 v2(130.58,15.34) 130.57,15.35 C5.1 ; U1.21 133.01,17.05 132.56,16.6 132.03,16.6 ; U1.26 135.25,13.62 135.09,13.46 ; 134.4,11.17 C4.1
  Top w0.3: TP21.1 v4(116.5,58.9)
  Top w0.4: U14.5 136.27,66.35 135.66,65.74 v4(135.03,65.74) 133.36,65.74 133,66.1 133,66.5 132.7,66.8 C63.1 ; C5.1 132.03,16.6 ; v2(134.95,13.33) v2(134.38,12.75) 134.4,12.72 C4.1
  Top w0.5: C66.1 114.56,72.59 114.88,72.92 117.17,72.92
  Top w0.6: J6.2 J6.4
  vias: v4(116.5,69.51) v4(116.5,68.21) v4(116.5,66.91) v4(116.5,65.52) v4(116.5,64.22) v4(116.5,62.92) v4(116.5,61.5) v4(116.5,60.2) v4(116.49,57.6) v4(117.9,69.51) v4(117.9,68.21) v4(117.9,66.91) v4(117.9,65.52) v4(117.9,64.22) v4(117.9,62.92) v4(117.9,61.5) v4(117.9,60.2) v4(117.9,58.9) v4(117.89,57.6) v4(119.3,65.52) v4(119.3,64.22) v4(119.3,62.92) v4(120.7,65.52) v4(120.7,64.22) v4(120.7,62.92)
VCC_BAT: length 27.8
  Top w0.2: v4(120,77.9) 120,74.67 119.55,74.22 118.78,74.22
  Top w0.25: 108.2,96.03 108.2,95.5 108.5,95.2 U7.1 ; U7.20 110.5,96.8 110.3,97
  Top w0.4: v4(109.6,97.1) 110.2,97.1 110.3,97 ; v4(123.11,85.69) 123.12,85.7 TP19.1 ; U5.3 C54.1
  Top w0.5: v4(113.95,29.25) 113.93,29.23 v4(113.93,28.1) ; 113.92,28.11 v4(112.82,28.11) C59.1 ; v4(108.2,97.1) 108.2,96.03 ; U8.1 112.83,28.11
  Top w0.6: U5.3 v4(92.95,87.53) v4(94.1,87.53) 95.29,87.53 v4(95.3,87.54) ; U6.1 92.94,85.89 ; 38.26,94.05 U11.1
  vias: v4(38.53,92.4) v4(38.53,91) v4(39.8,92.4) v4(39.8,91) v4(41.2,92.4) v4(41.2,91) v4(108.2,99.6) v4(108.2,98.3) v4(109.6,99.6) v4(109.6,98.3) v4(118.61,85.69) v4(118.6,79.4) v4(118.6,77.9) v4(120,79.4) v4(120.11,85.69) v4(121.61,85.69) v4(121.6,79.4) v4(121.6,77.9) v4(123.11,84.27) v4(123.11,82.77) v4(123.11,81.38)
VCC_BAT+: length 29.3
  Top w0.25: 21.52,49.45 21.01,49.45 20.55,49.92 U2.10 ; U2.27 20.55,58.72
  Top w0.3: R137.1 37.8,47.74 v2(37.8,47.74)
  Top w0.4: TP22.1 v4(33,91) ; R138.1 v2(34.96,99.92) ; v2(2.98,55.3) C21.1
  Top w0.5: 21.52,49.45 v2(22.5,49.45) 23.07,48.88 v2(23.07,48.42) v2(23.07,47.65) 23.08,47.65 C35.1 ; v2(4.03,57.02) 4.9,57.02 L8.1 5.03,55.3 v2(4.03,55.3)
  Top w0.6: v2(22.8,60.98) v2(21.93,60.98) 20.55,59.6 20.55,58.72 ; v2(22.8,60.98) v2(23.7,60.98) ; v2(22.8,60.98) C22.2
  Bottom w0.3: v2(32.45,47.25) 34.32,47.25 34.81,47.74 v2(37.8,47.74)
  vias: v2(2.98,57.02) v2(2.98,56.15) v2(4.03,56.15) v4(30.2,92.44) v4(30.2,91) v4(31.6,92.44) v4(31.6,91) v4(33,92.44) v4(34.4,92.44) v4(34.4,91) v4(35.8,92.44) v4(35.8,91)
VCC_EINK: length 124.7
  Top w0.2: v2(22.57,77.03) 23.27,77.03 24.2,76.1 D11.2 ; 8.34,78.87 8.34,79.21 9.5,80.37 J5.7 ; J5.5 9.1,80.5 8.34,79.74 8.07,79.74
  Top w0.25: v2(13.76,52.14) 14.11,52.5 U2.46 ; R37.1 27.44,82.5 R36.1 29.06,80.36 29.5,79.92 v2(29.5,76.49)
  Top w0.3: C67.2 10.88,43.94 D10.2 8.96,40.2 9.48,39.68 TP16.1 ; R46.1 22.57,77.03 v2(22.57,77.03) ; 8.07,79.74 7.57,79.74 7.3,79.47 v2(7.3,79.09) C41.1 ; 7.3,78.12 8.34,78.12 ; C40.1 8.34,78.87